# KiCad board keyboard.kicad_pcb (continued)
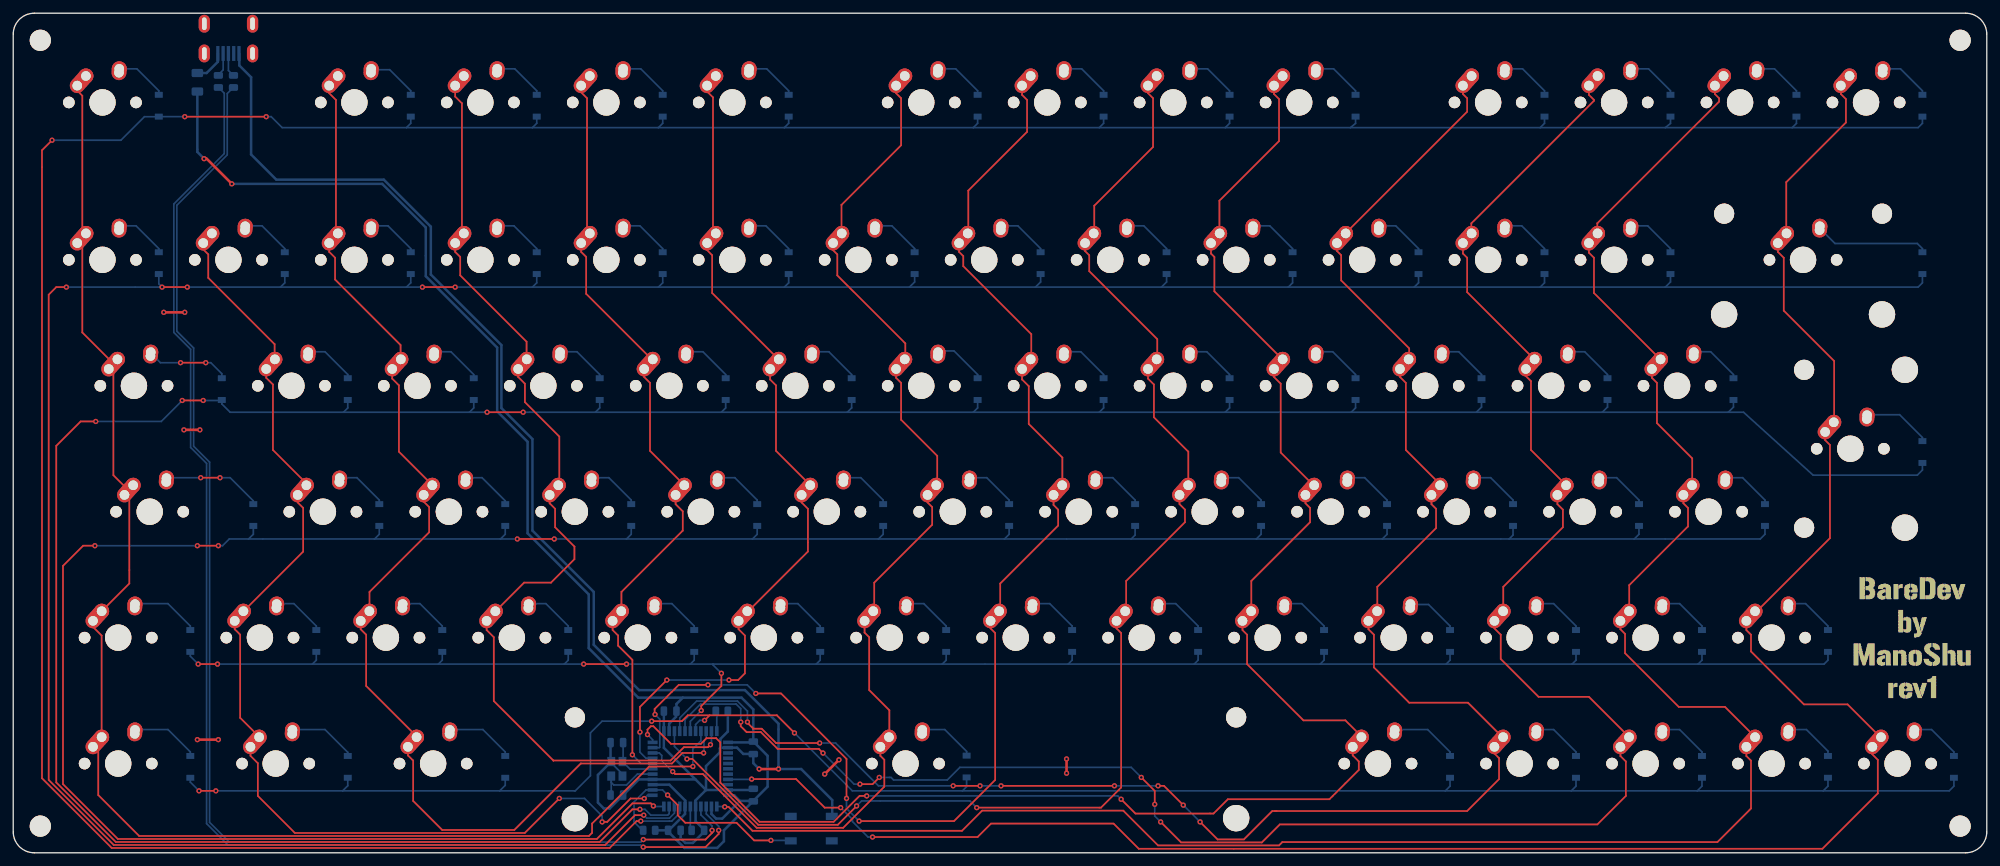
[diagram p0: board, top side]
## Routing (per net, layer and track width the routed paths; a pad name or vN(x,y) marks a point on that pad's centre or on a via; arc(x,y) is an arc through that point)
+5V: length 218.6
  Top w0.381: v1(33.05,101.19) 29.24,105 v1(28.86,105)
  Bottom w0.381: v1(33.05,101.19) 55.78,101.19 62.39,94.58 62.39,87.22 73.18,76.42 73.18,66.77 77.78,62.17 77.78,48.33 87.03,39.08 87.03,30.96 94.52,23.46 101.25,23.46 ; U1.7 101.59,5.87 99.12,3.4 97.06,3.4 ; 98.96,3.27 101.5,0.73 106.46,0.73 107.47,1.75 107.47,3.4 114.08,10 114.08,14.67 C7.1 111.92,21.69 110.14,23.46 101.25,23.46 ; 109.89,7.84 111.79,7.84 ; 109.89,7.84 107.22,5.18 106.29,5.18 105.59,5.87 U1.2 ; 109.89,7.84 109.03,8.7 U1.44 ; 100.23,21.43 100.23,20.57 99.19,19.53 U1.24 ; 27.84,115.16 27.84,106.01 v1(28.86,105) ; C5.1 100.3,22.51 101.25,23.46 ; 111.79,16.86 111.63,16.7 U1.34 ; 101.63,6.95 101.63,7.89 99.22,10.3 U1.14
GND: length 276.6
  Top w0.381: v1(22.76,81.76) v1(25.94,81.76) ; v1(159.29,14.19) v1(159.29,12.03) ; v1(27.84,17.11) v1(31.02,17.11) ; v1(25.81,63.98) v1(28.23,63.98) ; v1(122.71,11.91) v1(124.87,14.07) ; v1(112.81,12.67) v1(115.73,12.67)
  Bottom w0.254: 90.43,13.6 92.11,11.93 ; 28.89,125.41 29.05,125.57
  Bottom w0.381: Y1.4 90.43,13.6 ; 103.17,11.1 104.77,9.5 ; 103.17,11.1 U1.15 94.6,11.1 90.2,6.7 89.31,6.7 88.42,7.59 88.42,11.78 90.33,13.68 90.33,16.73 ; 103.17,11.1 98.39,15.87 U1.23 98.39,21.37 98.33,21.43 ; 104.77,9.5 103.16,7.89 103.16,6.95 ; 104.77,9.5 U1.43 111.54,9.5 111.79,9.75 ; 104.77,9.5 104.77,13.11 106.87,15.21 106.87,15.8 106.96,15.9 ; U1.5 103.19,4.76 104.55,3.4 104.55,3.27 102.77,1.49 101.63,1.49 100.93,2.19 C4.2 ; 111.79,14.95 110.39,14.95 109.45,15.9 U1.35 106.96,15.9 ; 106.96,15.9 106.95,15.91 106.95,17.23 108.07,18.35 R4.1 ; 34.19,120.87 34.19,119.09 35.97,117.32 35.97,105.63 39.78,101.82 56.04,101.82 63.15,94.71 63.15,87.47 73.82,76.8 73.82,67.27 78.52,62.58 78.52,48.74 87.79,39.47 87.79,31.46 94.65,24.61 110.65,24.61 115.73,19.53 v1(115.73,12.67) 119.16,12.67 123.86,7.97 123.86,5.56 ; C7.2 111.92,13.56 v1(112.81,12.67) ; 92.11,11.93 92.11,11.53
VCC: length 5.1
  Bottom w0.381: 27.84,117.95 29.24,117.95 30.94,119.65 30.94,120.91
col0: length 214.4
  Top w0.254: K_54.1 12.06,34.16 13.37,32.86 13.37,17.37 12.86,16.86 12.86,8.73 19.04,2.55 87.06,2.55 87.53,3.02 87.53,4.41 96.17,13.05 v1(102.77,13.05) ; K_0.1 9.68,115.28 10.45,114.52 10.45,94.2 10.95,93.69 ; 13.37,36.42 13.37,36.54 17.56,40.74 17.56,54.71 15.14,57.12 15.14,74.01 10.45,78.71 10.45,91.92 10.95,92.42
  Bottom w0.254: v1(102.77,13.05) 102.77,15.72 103.99,16.94 U1.30
col1: length 159
  Top w0.254: v1(95.43,8.21) 93.36,8.21 89.82,4.67 v1(89.06,4.67) ; K_28.1 38.26,71.85 39.27,70.83 39.27,60.93 44.48,55.72 ; 39.53,74.39 39.53,76.93 29.5,86.96 29.5,90.52 28.73,91.28 K_14.1 ; K_69.1 35.88,14.67 36.99,13.56 36.99,8.6 42.59,3 77.36,3 v1(82.58,8.22) ; K_55.1 33.5,33.81 34.32,32.99 34.32,20.42 37.24,17.49 ; 34.83,36.42 34.83,36.54 43.85,45.56 43.85,52.17 43.02,52.99 K_42.1
  Bottom w0.254: U1.12 95.92,8.7 v1(95.43,8.21) ; v1(89.06,4.67) 89.06,5.56 86.39,8.22 v1(82.58,8.22)
col2: length 170.2
  Top w0.254: 63.4,55.72 63.28,55.72 58.32,60.67 58.32,70.71 57.31,71.72 K_29.1 ; K_43.1 62.07,53.12 62.9,52.29 62.9,48.48 53.88,39.47 53.88,36.54 ; K_15.1 47.78,90.9 48.67,90.01 48.67,86.71 58.58,76.8 58.58,74.64 ; K_56.1 52.55,33.81 53.37,32.99 53.37,25.24 60.99,17.62 ; K_70.1 59.69,14.73 60.48,13.94 60.48,7.84 64.87,3.45 75.78,3.45 85.83,13.5 99.6,13.5 101.2,15.1 v1(104.4,15.1) ; 48.8,93.57 48.8,113.89 47.78,114.9 K_1.1
  Bottom w0.254: U1.31 104.79,17.29 104.46,16.95 104.46,15.16 v1(104.4,15.1)
col3: length 143.7
  Top w0.254: v1(105.44,16.35) 105.06,15.97 101.42,15.97 99.41,13.96 81.71,13.96 81.69,13.94 72.68,22.96 72.68,32.61 71.6,33.69 K_57.1 ; K_44.1 81.12,52.86 81.95,52.04 81.95,49.24 84.87,46.32 84.87,44.42 81.31,40.86 77.25,40.86 72.93,36.54 ; K_16.1 66.83,90.9 67.6,90.14 67.6,87.34 77.63,77.31 77.63,74.9 77.76,74.77 ; 82.58,55.59 82.58,62.96 77.37,68.17 77.37,70.96 76.36,71.98 K_30.1 ; 67.85,93.57 67.85,113.38 66.83,114.4 K_2.1
  Bottom w0.254: U1.32 105.59,16.5 v1(105.44,16.35)
col4: length 112.6
  Top w0.254: 101.5,55.47 101.5,55.59 96.3,60.8 96.3,71.09 95.41,71.98 K_31.1 ; 86.9,93.44 86.77,93.57 86.77,114.14 85.88,115.03 85.88,116.05 ; K_58.1 90.65,33.69 91.47,32.86 91.47,31.34 93.63,29.18 v1(93.63,14.83) ; 91.98,36.42 91.98,39.47 101.25,48.74 101.25,51.66 100.17,52.74 K_45.1 ; 85.88,92.23 85.88,90.9 86.65,90.14 86.65,84.55 96.68,74.52
  Bottom w0.254: v1(93.63,14.83) 94.96,13.5 U1.18
col5: length 123.9
  Top w0.254: K_32.1 114.46,71.6 115.35,70.71 115.35,60.8 120.55,55.59 ; K_18.1 104.93,91.15 105.7,90.39 105.7,84.68 115.86,74.52 ; v1(98.84,26.13) 94.77,22.07 v1(94.77,18.26) ; 106.2,93.44 106.2,93.69 105.82,94.08 105.82,114.27 104.93,115.16 K_4.1 104.93,115.03 ; K_46.1 119.22,52.99 120.17,52.04 120.17,45.56 111.03,36.42 ; v1(108.24,26.13) 109.63,26.13 110.65,27.15 110.65,32.86 109.7,33.81 K_59.1
  Bottom w0.254: U1.19 95.69,14.3 94.77,15.22 v1(94.77,18.26) ; v1(98.84,26.13) v1(108.24,26.13)
col6: length 158.4
  Top w0.254: 139.73,55.59 139.73,60.04 134.27,65.5 134.27,71.09 133.51,71.85 K_33.1 ; 132.49,17.62 132.49,21.56 129.44,24.61 129.44,32.61 128.75,33.31 K_60.1 ; K_47.1 138.27,52.99 138.97,52.29 138.97,49.63 130.21,40.86 130.21,36.67 ; K_19.1 123.98,91.15 124.62,90.52 124.62,87.34 134.91,77.06 134.91,74.64 ; K_71.1 131.13,14.67 131.73,14.07 131.73,10 125.51,3.78 112.43,3.78 104.3,11.91 100.11,11.91 v1(99.73,12.29) ; K_5.1 133.51,114.9 134.27,114.14 134.27,107.03 125.25,98.01 125.25,93.44
  Bottom w0.254: v1(99.73,12.29) 98.08,13.94 98.08,14.72 97.7,15.1 U1.20
col7: length 190.2
  Top w0.254: 149.38,36.67 149.26,36.67 149.26,40.74 158.02,49.5 158.02,51.91 157.32,52.61 K_48.1 ; K_34.1 152.56,71.6 153.57,70.58 153.57,64.87 158.65,59.79 158.65,55.59 ; v1(97.06,20.92) 97,20.99 97,21.75 100.64,25.4 v1(105.06,25.4) ; v1(127.92,4.79) 142.27,4.79 148.49,11.02 148.49,33.24 147.8,33.94 K_61.1 ; 144.43,93.69 144.43,100.17 153.32,109.06 153.32,113.89 152.56,114.65 K_6.1 ; v1(126.02,8.22) 126.02,14.19 116.11,24.1 v1(112.3,24.1) ; 153.96,74.64 153.96,78.45 143.67,88.74 143.67,90.27 143.03,90.9 K_20.1
  Bottom w0.254: v1(112.3,24.1) 111,25.4 v1(105.06,25.4) ; v1(97.06,20.92) 97.77,20.21 97.77,15.97 97.7,15.9 U1.21 ; v1(126.02,8.22) 126.02,6.7 v1(127.92,4.79)
col8: length 193.8
  Top w0.254: K_21.1 162.08,91.03 162.72,90.39 162.72,87.98 173.01,77.69 173.01,74.77 ; v1(127.54,7.08) 124.69,4.23 112.67,4.23 102.71,14.19 v1(101.89,14.19) ; K_62.1 166.85,33.94 167.54,33.24 167.54,9.87 164.5,6.83 v1(145.7,6.83) ; K_7.1 171.61,114.9 172.37,114.14 172.37,106.78 163.48,97.89 163.48,93.57 ; 168.31,36.42 168.31,41.12 177.2,50.01 177.2,51.91 176.37,52.74 K_49.1 ; 177.7,55.59 177.7,60.67 172.5,65.88 172.5,70.83 171.61,71.72 K_35.1
  Bottom w0.254: v1(101.89,14.19) 99.99,16.08 U1.25 ; v1(145.7,6.83) 144.68,7.84 128.3,7.84 v1(127.54,7.08)
col9: length 248.7
  Top w0.254: K_50.1 195.42,52.86 196.12,52.17 196.12,50.01 187.23,41.12 187.23,36.54 ; K_63.1 185.9,33.69 186.59,32.99 186.59,28.54 195.1,20.03 201.45,20.03 203.99,17.49 ; v1(95.92,17.88) 95.92,18.64 96.42,19.15 96.81,19.15 99.47,16.48 103.98,16.48 104.84,17.33 106.3,17.33 106.93,16.7 106.93,10.61 112.86,4.69 124.07,4.69 127.99,8.6 v1(129.06,8.6) ; v1(167.54,8.1) 169.7,5.94 181.51,5.94 183.67,8.1 199.04,8.1 203.49,12.54 203.49,13.81 202.56,14.73 K_72.1 ; K_22.1 181.13,90.65 181.64,90.14 181.64,84.93 191.93,74.64 ; 182.4,93.69 182.4,98.65 191.42,107.66 191.42,114.01 190.66,114.78 K_8.1 ; K_36.1 190.66,71.98 191.67,70.96 191.67,60.55 196.75,55.47
  Bottom w0.254: v1(167.54,8.1) 167.04,8.6 v1(129.06,8.6) ; U1.22 96.69,17.1 v1(95.92,17.88)
col10: length 271.3
  Top w0.254: K_64.1 204.95,33.81 205.77,32.99 205.77,28.04 211.11,22.7 220,22.7 225.33,17.37 ; 206.28,36.54 206.28,40.23 215.17,49.12 215.17,52.04 214.47,52.74 K_51.1 ; 191.04,6.32 190.4,6.32 186.11,2.02 182.13,2.02 v1(179.48,4.67) ; 191.04,6.32 190.79,6.32 ; 191.04,6.32 219.87,6.32 224.69,11.14 224.69,14.32 224,15.02 K_73.1 ; 211.11,74.52 211.11,76.3 200.82,86.58 200.82,90.39 200.18,91.03 K_23.1 ; v1(121.95,16.61) 115.35,16.61 113.19,18.76 111.92,18.76 111.03,19.65 v1(111.03,19.78) ; v1(149.38,10.13) v1(166.53,10.13) ; K_37.1 209.71,71.98 210.6,71.09 210.6,60.93 215.8,55.72 ; v1(176.94,7.21) 174.02,10.13 v1(173.13,10.13) ; K_9.1 219.23,114.78 219.87,114.14 219.87,112.11 201.58,93.82 201.58,93.57 ; v1(142.14,10.13) v1(146.21,10.13)
  Bottom w0.254: v1(111.03,19.78) 111.03,21.43 109.52,22.95 103.35,22.95 100.79,20.39 U1.26 ; v1(121.95,16.61) 124.36,16.61 130.84,10.13 v1(142.14,10.13) ; v1(176.94,7.21) v1(179.48,4.67) ; v1(166.53,10.13) v1(173.13,10.13) ; v1(146.21,10.13) v1(149.38,10.13)
col11: length 295.2
  Top w0.254: v1(130.97,11.4) 129.95,10.38 v1(128.05,10.38) ; 244.38,17.49 238.28,23.59 230.66,23.59 224.95,29.31 224.95,32.99 224,33.94 K_65.1 ; v1(110.01,19.78) 110.01,19.15 110.9,18.26 113.05,18.26 115.59,15.72 121.82,15.72 v1(122.46,15.08) ; v1(172.62,7.33) 172.62,9.37 v1(170.59,11.4) ; v1(173.51,4.67) 176.62,1.57 188.83,1.57 191.55,4.29 239.55,4.29 243.87,8.6 243.87,13.81 243.05,14.64 K_74.1 ; K_38.1 228.76,72.1 229.52,71.34 229.52,60.93 234.85,55.59 ; K_52.1 233.52,52.74 234.35,51.91 234.35,49.24 225.33,40.23 225.33,36.54 ; K_24.1 219.23,90.65 219.87,90.01 219.87,84.8 230.03,74.64 ; 220.5,93.69 220.5,95.22 239.05,113.76 239.05,113.89 238.28,114.65 K_10.1
  Bottom w0.254: v1(170.59,11.4) 169.07,12.92 143.16,12.92 141.26,11.02 133.13,11.02 132.75,11.4 v1(130.97,11.4) ; v1(122.46,15.08) 127.16,10.38 v1(128.05,10.38) ; U1.27 101.59,20.15 103.94,22.49 109.33,22.49 110.01,21.81 v1(110.01,19.78) ; v1(173.51,4.67) 172.62,5.56 v1(172.62,7.33)
col12: length 297.7
  Top w0.254: 249.08,74.64 239.05,84.68 239.05,90.01 238.28,90.77 K_25.1 ; 263.3,17.62 258.86,22.07 251.87,22.07 243.74,30.19 243.74,33.12 243.05,33.81 K_66.1 ; 244.38,36.42 244.38,40.48 253.27,49.37 253.27,52.17 252.57,52.86 K_53.1 ; 239.68,93.57 239.55,93.57 239.55,95.22 257.97,113.63 257.97,114.14 257.33,114.78 K_11.1 ; K_75.1 262.1,14.64 262.79,13.94 262.79,6.7 257.71,1.62 191.93,1.62 191.42,1.11 173.13,1.11 167.87,6.37 146.52,6.37 143.47,3.32 111.8,3.32 108.17,6.95 v1(107.6,6.95) ; 253.9,55.47 253.9,59.66 248.57,64.99 248.57,71.09 247.81,71.85 K_39.1
  Bottom w0.254: v1(107.6,6.95) 107.55,7 U1.1
col13: length 310.7
  Top w0.254: K_76.1 281.15,14.89 281.97,14.07 281.97,8.99 273.59,0.6 170.21,0.6 166.4,4.41 147.86,4.41 145.83,2.38 v1(129.95,2.38) ; v1(111.66,11.14) 118.4,11.14 122.71,6.83 v1(125.13,6.83) ; K_26.1 266.86,90.9 267.75,90.01 267.75,82.01 275.37,74.39 275.37,65.12 ; K_12.1 276.38,114.78 277.15,114.01 277.15,110.46 268.13,101.44 268.13,93.57 ; K_67.1 262.1,33.69 262.79,32.99 262.79,30.45 270.8,22.45 277.4,22.45 282.48,17.37 ; K_40.1 274,62.42 274.73,61.69 274.73,47.59 263.68,36.54 263.56,36.54 263.43,36.42 263.56,36.42 263.56,36.29
  Bottom w0.254: U1.41 111.62,11.1 v1(111.66,11.14) ; v1(125.13,6.83) 126.9,5.05 126.9,4.73 129.26,2.38 v1(129.95,2.38)
D+: length 3.7
  Bottom w0.254: USB1.3 32.54,118.33 33.31,117.57
D-: length 3.6
  Bottom w0.254: 31.02,117.57 31.02,117.7 31.74,118.42 USB1.4
row0: length 508.8
  Top w0.254: v1(94.9,4.79) 94.27,4.79 90.2,0.73 14.89,0.73 4.35,11.27 4.35,106.27 v1(5.87,107.79) ; v1(25.94,111.35) v1(38.26,111.35)
  Bottom w0.254: v1(25.94,111.35) 25.93,111.36 D_0.1 ; 145.19,109.7 145.84,110.35 D_5.1 ; 145.19,109.7 116.62,109.7 ; 145.19,109.7 164.24,109.7 ; 249.84,109.7 269.02,109.7 ; 249.84,109.7 230.92,109.7 ; 249.84,109.7 250.62,110.33 D_10.1 ; 269.02,109.7 288.07,109.7 288.72,110.35 D_12.1 ; 269.02,109.7 269.67,110.33 D_11.1 ; v1(5.87,107.79) 16.29,107.79 19.84,111.35 22,111.35 ; 116.62,109.7 117.27,110.35 D_4.1 ; 116.62,109.7 97.57,109.7 ; 59.47,109.7 78.52,109.7 ; 59.47,109.7 60.12,110.35 D_1.1 ; 59.47,109.7 40.67,109.7 39.02,111.35 v1(38.26,111.35) ; 78.52,109.7 79.17,110.35 D_2.1 ; 78.52,109.7 97.57,109.7 ; 164.24,109.7 183.29,109.7 ; 164.24,109.7 164.89,110.35 D_6.1 ; 183.29,109.7 202.22,109.7 ; 183.29,109.7 183.94,110.35 D_7.1 ; D_9.1 231.57,110.35 230.92,109.7 ; U1.8 100.79,6 99.59,4.79 v1(94.9,4.79) ; 202.22,109.7 230.92,109.7 ; 202.22,109.7 202.99,110.33 D_8.1 ; 97.57,109.7 98.22,110.35 D_3.1
row1: length 490.2
  Top w0.254: v1(61.88,85.57) v1(66.83,85.57) ; v1(8.03,85.57) 6.51,85.57 5.37,84.42 5.37,11.02 15.2,1.18 89.51,1.18 94.02,5.69 v1(95.35,5.69) ; v1(22.51,85.57) v1(26.32,85.57)
  Bottom w0.254: 135.54,85.57 154.59,85.57 ; 135.54,85.57 116.62,85.57 ; 135.54,85.57 136.32,86.34 D_19.1 ; 154.59,85.57 173.64,85.57 ; 154.59,85.57 155.37,86.34 D_20.1 ; 249.84,85.57 288.07,85.57 288.72,86.22 D_26.1 ; 249.84,85.57 230.92,85.57 ; 249.84,85.57 250.62,86.34 D_25.1 ; D_15.1 60.12,86.22 59.47,85.57 ; D_13.1 22.02,86.06 v1(22.51,85.57) v1(8.03,85.57) ; 173.64,85.57 192.82,85.57 ; 173.64,85.57 174.42,86.34 D_21.1 ; 192.82,85.57 211.87,85.57 ; 192.82,85.57 193.47,86.22 D_22.1 ; 211.87,85.57 212.52,86.22 D_23.1 ; 211.87,85.57 230.92,85.57 ; 78.52,85.57 79.17,86.22 D_16.1 ; 78.52,85.57 v1(66.83,85.57) ; 78.52,85.57 97.57,85.57 ; D_17.1 98.22,86.22 97.57,85.57 ; 116.62,85.57 97.57,85.57 ; 116.62,85.57 117.27,86.22 D_18.1 ; 59.47,85.57 v1(61.88,85.57) ; 59.47,85.57 40.42,85.57 ; 230.92,85.57 231.57,86.22 D_24.1 ; U1.9 99.99,6 99.25,5.25 95.79,5.25 v1(95.35,5.69) ; v1(26.32,85.57) 40.42,85.57 ; 40.42,85.57 41.07,86.22 D_14.1
row2: length 467.7
  Top w0.254: v1(71.66,66.64) v1(77.12,66.64) ; v1(12.48,65.25) 10.19,65.25 6.51,61.56 6.51,10.64 15.51,1.64 88.7,1.64 93.63,6.57 v1(94.77,6.57) ; v1(25.56,68.42) v1(28.73,68.42)
  Bottom w0.254: 126.14,66.64 126.79,67.29 D_32.1 ; 126.14,66.64 107.09,66.64 ; 126.14,66.64 145.19,66.64 ; 259.37,66.64 261.66,66.64 272.19,57.12 287.94,57.12 288.72,57.9 D_40.1 ; 259.37,66.64 260.14,67.42 D_39.1 ; 259.37,66.64 240.32,66.64 ; D_35.1 183.94,67.29 183.29,66.64 ; 164.24,66.64 164.89,67.29 D_34.1 ; 164.24,66.64 183.29,66.64 ; 164.24,66.64 145.19,66.64 ; v1(12.48,65.25) 22.38,65.25 v1(25.56,68.42) ; 183.29,66.64 202.34,66.64 ; 49.94,66.64 32.8,66.64 31.54,67.9 D_27.1 ; 49.94,66.64 68.99,66.64 ; 49.94,66.64 50.59,67.29 D_28.1 ; D_33.1 145.84,67.29 145.19,66.64 ; v1(94.77,6.57) 95.54,6.57 96.41,5.7 98.98,5.7 99.19,5.91 U1.10 ; v1(28.73,68.42) 31.53,68.42 ; D_37.1 222.04,67.42 221.27,66.64 ; 68.99,66.64 v1(71.66,66.64) ; 68.99,66.64 69.64,67.29 D_29.1 ; 107.09,66.64 88.04,66.64 ; 107.09,66.64 107.74,67.29 D_31.1 ; 240.32,66.64 241.09,67.42 D_38.1 ; 240.32,66.64 221.27,66.64 ; D_30.1 88.69,67.29 88.04,66.64 ; 88.04,66.64 v1(77.12,66.64) ; D_36.1 202.99,67.29 202.34,66.64 ; 202.34,66.64 221.27,66.64
row3: length 417.6
  Top w0.254: v1(96.81,7.08) 96.41,7.48 93.65,7.48 88.26,2.09 15.81,2.09 7.52,10.38 7.52,43.4 10.57,46.45 v1(12.35,46.45) ; v1(27.84,46.45) v1(31.02,46.45) ; v1(76.23,47.47) v1(81.82,47.47)
  Bottom w0.254: 54.64,47.47 55.36,48.18 D_42.1 ; 54.64,47.47 35.59,47.47 ; 54.64,47.47 73.69,47.47 ; D_46.1 131.56,48.18 130.84,47.47 ; 169.07,47.47 187.99,47.47 ; 169.07,47.47 149.89,47.47 ; 169.07,47.47 169.66,48.05 D_48.1 ; 187.99,47.47 207.04,47.47 ; 187.99,47.47 188.71,48.18 D_49.1 ; 35.59,47.47 36.31,48.18 D_41.1 ; 35.59,47.47 32.67,47.47 31.65,46.45 v1(31.02,46.45) ; 245.14,47.47 245.86,48.18 D_52.1 ; 245.14,47.47 226.22,47.47 ; 245.14,47.47 264.19,47.47 264.91,48.18 D_53.1 ; v1(81.82,47.47) 92.74,47.47 ; 92.74,47.47 93.46,48.18 D_44.1 ; 92.74,47.47 111.79,47.47 ; D_45.1 112.51,48.18 111.79,47.47 ; 73.69,47.47 v1(76.23,47.47) ; 73.69,47.47 74.41,48.18 D_43.1 ; D_51.1 226.81,48.05 226.22,47.47 ; 130.84,47.47 149.89,47.47 ; 130.84,47.47 111.79,47.47 ; 149.89,47.47 150.61,48.18 D_47.1 ; 226.22,47.47 207.04,47.47 ; 207.04,47.47 207.76,48.18 D_50.1 ; v1(96.81,7.08) 96.89,7 U1.11 ; v1(12.35,46.45) v1(27.84,46.45)
row4: length 288.1
  Top w0.254: v1(27.97,28.54) v1(30.89,28.54) ; v1(104.04,21.52) 104.04,22.19 107.09,25.24 v1(107.09,27.15) ; v1(86.26,28.54) v1(92.74,28.54)
  Bottom w0.254: 105.82,28.54 105.82,28.42 v1(107.09,27.15) ; 105.82,28.54 102.39,28.54 ; 105.82,28.54 121.44,28.54 ; 102.39,28.54 102.98,29.13 D_58.1 ; 102.39,28.54 v1(92.74,28.54) ; v1(104.04,21.52) 102.39,19.87 102.39,18.38 ; 197.64,28.54 216.69,28.54 ; 197.64,28.54 178.59,28.54 ; 197.64,28.54 198.23,29.13 D_63.1 ; 216.69,28.54 217.28,29.13 D_64.1 ; 216.69,28.54 235.74,28.54 ; 159.54,28.54 160.13,29.13 D_61.1 ; 159.54,28.54 140.49,28.54 ; 159.54,28.54 178.59,28.54 ; 45.24,28.54 64.29,28.54 ; 45.24,28.54 v1(30.89,28.54) ; 45.24,28.54 45.83,29.13 D_55.1 ; 64.29,28.54 83.34,28.54 ; 64.29,28.54 64.88,29.13 D_56.1 ; 140.49,28.54 141.08,29.13 D_60.1 ; 140.49,28.54 121.44,28.54 ; 254.79,28.54 273.84,28.54 274.43,29.13 D_67.1 ; 254.79,28.54 255.38,29.13 D_66.1 ; 254.79,28.54 235.74,28.54 ; 178.59,28.54 179.18,29.13 D_62.1 ; D_57.1 83.93,29.13 83.34,28.54 ; v1(27.97,28.54) 26.78,29.73 D_54.1 ; 83.34,28.54 v1(86.26,28.54) ; D_59.1 122.03,29.13 121.44,28.54 ; 235.74,28.54 236.33,29.13 D_65.1
row5: length 302.4
  Top w0.254: v1(118.14,18.13) 115.47,20.8 105.31,20.8 ; v1(28.1,9.37) v1(30.64,9.37) ; 105.31,20.8 102.01,20.8 101.12,19.91 v1(96.55,19.91) ; 105.31,20.8 v1(104.55,20.03)
  Bottom w0.254: v1(30.64,9.37) 49.82,9.37 ; 49.82,9.37 50.59,10.14 D_69.1 ; 49.82,9.37 73.56,9.37 ; 254.67,9.37 273.72,9.37 ; 254.67,9.37 235.62,9.37 ; 254.67,9.37 255.38,10.08 D_74.1 ; 273.72,9.37 292.77,9.37 293.48,10.08 D_76.1 ; 273.72,9.37 274.43,10.08 D_75.1 ; 235.62,9.37 236.33,10.08 D_73.1 ; 235.62,9.37 216.57,9.37 ; D_72.1 217.28,10.08 216.57,9.37 ; 143.54,9.37 216.57,9.37 ; 143.54,9.37 126.9,9.37 v1(118.14,18.13) ; 143.54,9.37 144.18,10 D_71.1 ; U1.29 103.19,19.4 103.82,20.03 v1(104.55,20.03) ; v1(28.1,9.37) 26.78,10.68 D_68.1 ; 73.56,9.37 84.99,9.37 87.28,11.65 87.28,18.13 89.06,19.91 v1(96.55,19.91) ; 73.56,9.37 74.41,10.21 D_70.1
Net-(C1-Pad1): length 7.9
  Bottom w0.254: C1.1 92.23,13.94 92.11,13.81 ; Y1.1 93.26,12.67 96.68,12.67
Net-(C2-Pad1): length 10.9
  Bottom w0.254: 90.46,8.73 90.43,8.76 Y1.3 90.43,10.65 90.82,10.26 92.74,10.26 94.39,11.91 96.68,11.91
Net-(C3-Pad1): length 3.7
  Bottom w0.254: 102.52,3.4 102.39,3.52 U1.6
Net-(D_0-Pad2): length 8
  Bottom w0.254: D_0.2 22.02,115.27 18.7,118.59 16.03,118.59
Net-(D_1-Pad2): length 7.9
  Bottom w0.254: 54.13,118.46 56.93,118.46 60.12,115.27 D_1.2
Net-(D_2-Pad2): length 8
  Bottom w0.254: K_2.2 75.85,118.59 79.17,115.27 D_2.2
Net-(D_3-Pad2): length 8
  Bottom w0.254: D_3.2 98.22,115.27 94.9,118.59 K_3.2
Net-(D_4-Pad2): length 8
  Bottom w0.254: K_4.2 113.95,118.59 117.27,115.27 D_4.2
Net-(D_5-Pad2): length 8
  Bottom w0.254: D_5.2 145.84,115.27 142.53,118.59 K_5.2
Net-(D_6-Pad2): length 8
  Bottom w0.254: K_6.2 161.58,118.59 164.89,115.27 D_6.2
Net-(D_7-Pad2): length 8.1
  Bottom w0.254: D_7.2 183.94,115.27 180.63,118.59 177.83,118.59
Net-(D_8-Pad2): length 8
  Bottom w0.254: K_8.2 199.68,118.59 202.99,115.27 D_8.2
Net-(D_9-Pad2): length 8
  Bottom w0.254: 225.58,118.59 228.25,118.59 231.57,115.27 D_9.2
Net-(D_10-Pad2): length 8
  Bottom w0.254: K_10.2 247.3,118.59 250.62,115.27 D_10.2
Net-(D_11-Pad2): length 8
  Bottom w0.254: D_11.2 269.67,115.27 266.35,118.59 263.68,118.59
Net-(D_12-Pad2): length 8
  Bottom w0.254: D_12.2 288.72,115.27 285.4,118.59 282.73,118.59
Net-(D_13-Pad2): length 8
  Bottom w0.254: 16.03,94.84 18.57,94.84 22.02,91.39 D_13.2
Net-(D_14-Pad2): length 8
  Bottom w0.254: 35.08,94.84 37.62,94.84 41.07,91.39 D_14.2
Net-(D_15-Pad2): length 8
  Bottom w0.254: D_15.2 60.12,91.39 56.67,94.84 54.13,94.84
Net-(D_16-Pad2): length 8
  Bottom w0.254: D_16.2 79.17,91.39 75.72,94.84 73.18,94.84
Net-(D_17-Pad2): length 8
  Bottom w0.254: 92.23,94.84 94.77,94.84 98.22,91.39 D_17.2
Net-(D_18-Pad2): length 8
  Bottom w0.254: D_18.2 117.27,91.39 113.82,94.84 111.28,94.84
Net-(D_19-Pad2): length 8
  Bottom w0.254: D_19.2 136.32,91.39 132.87,94.84 130.33,94.84
Net-(D_20-Pad2): length 8
  Bottom w0.254: 149.38,94.84 151.92,94.84 155.37,91.39 D_20.2
Net-(D_21-Pad2): length 8
  Bottom w0.254: 168.43,94.84 170.97,94.84 174.42,91.39 D_21.2
Net-(D_22-Pad2): length 8.1
  Bottom w0.254: 187.36,94.84 190.02,94.84 193.47,91.39 D_22.2
Net-(D_23-Pad2): length 8
  Bottom w0.254: 206.53,94.84 209.07,94.84 212.52,91.39 D_23.2
Net-(D_24-Pad2): length 8
  Bottom w0.254: D_24.2 231.57,91.39 228.12,94.84 225.58,94.84
Net-(D_25-Pad2): length 8
  Bottom w0.254: 244.63,94.84 247.17,94.84 250.62,91.39 D_25.2
Net-(D_26-Pad2): length 17.5
  Bottom w0.254: 273.08,94.58 275.49,92.17 287.94,92.17 288.72,91.39 D_26.2
Net-(D_27-Pad2): length 12.8
  Top w0.254: v1(29.11,74.14) v1(25.3,74.14)
  Bottom w0.254: v1(29.11,74.14) 29.88,74.14 31.54,72.47 D_27.2 ; 20.73,75.66 22.26,74.14 v1(25.3,74.14)
Net-(D_28-Pad2): length 8
  Bottom w0.254: D_28.2 50.59,72.34 47.15,75.79 44.61,75.79
Net-(D_29-Pad2): length 8
  Bottom w0.254: 63.66,75.79 66.2,75.79 69.64,72.34 D_29.2
Net-(D_30-Pad2): length 8
  Bottom w0.254: D_30.2 88.69,72.34 85.25,75.79 82.71,75.79
Net-(D_31-Pad2): length 8
  Bottom w0.254: D_31.2 107.74,72.34 104.3,75.79 101.76,75.79
Net-(D_32-Pad2): length 8
  Bottom w0.254: D_32.2 126.79,72.34 123.35,75.79 120.81,75.79
Net-(D_33-Pad2): length 8
  Bottom w0.254: D_33.2 145.84,72.34 142.27,75.91 139.86,75.91
Net-(D_34-Pad2): length 8
  Bottom w0.254: D_34.2 164.89,72.34 161.45,75.79 158.91,75.79
Net-(D_35-Pad2): length 8
  Bottom w0.254: 177.96,75.79 180.5,75.79 183.94,72.34 D_35.2
Net-(D_36-Pad2): length 8
  Bottom w0.254: D_36.2 202.99,72.34 199.55,75.79 197.01,75.79
Net-(D_37-Pad2): length 8
  Bottom w0.254: 216.06,75.79 218.6,75.79 222.04,72.34 D_37.2
Net-(D_38-Pad2): length 8
  Bottom w0.254: D_38.2 241.09,72.34 237.65,75.79 235.11,75.79
Net-(D_39-Pad2): length 8.1
  Bottom w0.254: D_39.2 260.14,72.34 256.7,75.79 254.03,75.79
Net-(D_40-Pad2): length 10.4
  Bottom w0.254: D_40.2 288.72,62.82 285.27,66.26 280.32,66.26
Net-(D_41-Pad2): length 15.1
  Top w0.254: v1(31.27,56.74) v1(28.35,56.74)
  Bottom w0.254: D_41.2 36.31,53.23 32.8,56.74 v1(31.27,56.74) ; v1(28.35,56.74) 23.15,56.74
Net-(D_42-Pad2): length 8.1
  Bottom w0.254: D_42.2 55.36,53.36 51.97,56.74 49.31,56.74
Net-(D_43-Pad2): length 7.9
  Bottom w0.254: D_43.2 74.41,53.23 70.9,56.74 68.48,56.74
Net-(D_44-Pad2): length 8.1
  Bottom w0.254: D_44.2 93.46,53.36 90.07,56.74 87.41,56.74
Net-(D_45-Pad2): length 8.1
  Bottom w0.254: 106.46,56.74 109.12,56.74 112.51,53.36 D_45.2
Net-(D_46-Pad2): length 8.1
  Bottom w0.254: 125.51,56.74 128.17,56.74 131.56,53.36 D_46.2
Net-(D_47-Pad2): length 8.1
  Bottom w0.254: D_47.2 150.61,53.36 147.22,56.74 144.56,56.74
Net-(D_48-Pad2): length 8.1
  Bottom w0.254: 163.61,56.74 166.27,56.74 169.66,53.36 D_48.2
Net-(D_49-Pad2): length 8.1
  Bottom w0.254: D_49.2 188.71,53.36 185.32,56.74 182.66,56.74
Net-(D_50-Pad2): length 8.1
  Bottom w0.254: 201.71,56.74 204.37,56.74 207.76,53.36 D_50.2
Net-(D_51-Pad2): length 8.1
  Bottom w0.254: D_51.2 226.81,53.36 223.42,56.74 220.76,56.74
Net-(D_52-Pad2): length 7.9
  Bottom w0.254: 239.93,56.74 242.47,56.74 245.86,53.36 D_52.2
Net-(D_53-Pad2): length 8.1
  Bottom w0.254: 258.86,56.74 261.52,56.74 264.91,53.36 D_53.2
Net-(D_54-Pad2): length 10.3
  Bottom w0.254: D_54.2 26.78,34.31 23.4,37.69 18.45,37.69
Net-(D_55-Pad2): length 8.1
  Bottom w0.254: D_55.2 45.83,34.31 42.45,37.69 39.78,37.69
Net-(D_56-Pad2): length 8.1
  Bottom w0.254: D_56.2 64.88,34.31 61.5,37.69 58.83,37.69
Net-(D_57-Pad2): length 8.1
  Bottom w0.254: D_57.2 83.93,34.31 80.55,37.69 77.88,37.69
Net-(D_58-Pad2): length 8.1
  Bottom w0.254: 96.93,37.69 99.6,37.69 102.98,34.31 D_58.2
Net-(D_59-Pad2): length 8.1
  Bottom w0.254: D_59.2 122.03,34.31 118.65,37.69 115.98,37.69
Net-(D_60-Pad2): length 8.1
  Bottom w0.254: D_60.2 141.08,34.31 137.7,37.69 135.03,37.69
Net-(D_61-Pad2): length 8.1
  Bottom w0.254: D_61.2 160.13,34.31 156.75,37.69 154.08,37.69
Net-(D_62-Pad2): length 8.1
  Bottom w0.254: 173.13,37.69 175.8,37.69 179.18,34.31 D_62.2
Net-(D_63-Pad2): length 8.1
  Bottom w0.254: D_63.2 198.23,34.31 194.85,37.69 192.18,37.69
Net-(D_64-Pad2): length 7.9
  Bottom w0.254: 211.36,37.56 214.03,37.56 217.28,34.31 D_64.2
Net-(D_65-Pad2): length 8.1
  Bottom w0.254: 230.28,37.69 232.95,37.69 236.33,34.31 D_65.2
Net-(D_66-Pad2): length 8.1
  Bottom w0.254: 249.33,37.69 252,37.69 255.38,34.31 D_66.2
Net-(D_67-Pad2): length 8.1
  Bottom w0.254: 268.38,37.69 271.05,37.69 274.43,34.31 D_67.2
Net-(D_68-Pad2): length 10.3
  Bottom w0.254: D_68.2 26.78,15.26 23.4,18.64 18.45,18.64
Net-(D_69-Pad2): length 10.4
  Bottom w0.254: D_69.2 50.59,15.19 47.15,18.64 42.2,18.64
Net-(D_70-Pad2): length 10.5
  Bottom w0.254: 65.94,18.64 71.02,18.64 74.41,15.26 D_70.2
Net-(D_71-Pad2): length 8.7
  Bottom w0.254: D_71.2 144.18,15.34 140.87,18.64 137.45,18.64
Net-(D_72-Pad2): length 10.3
  Bottom w0.254: D_72.2 217.28,15.26 213.9,18.64 208.95,18.64
Net-(D_73-Pad2): length 8.1
  Bottom w0.254: 230.28,18.64 232.95,18.64 236.33,15.26 D_73.2
Net-(D_74-Pad2): length 7.9
  Bottom w0.254: 249.46,18.64 252,18.64 255.38,15.26 D_74.2
Net-(D_75-Pad2): length 8
  Bottom w0.254: D_75.2 274.43,15.38 271.18,18.64 268.51,18.64
Net-(D_76-Pad2): length 8.1
  Bottom w0.254: 287.43,18.64 290.1,18.64 293.48,15.26 D_76.2
Net-(R1-Pad2): length 33.4
  Top w0.254: v1(114.59,1.87) 112.05,1.87 109.38,4.54 101.63,4.54 100.49,5.68 100.49,7.21 v1(98.96,8.73)
  Bottom w0.254: v1(114.59,1.87) 117.63,1.87 ; v1(98.96,8.73) 98.2,9.5 U1.13 95.69,9.5 93.88,7.69 93.88,4.67 95.15,3.4
Net-(R2-Pad1): length 199.8
  Top w0.254: v1(95.28,2) 104.68,2 105.68,3 v1(105.68,3.4) 105.57,3.28
  Bottom w0.254: R2.1 33.31,115.54 ; 33.31,115.79 32.36,114.85 32.36,105.57 24.74,97.95 24.74,78.9 27.28,76.36 27.28,61.5 29.7,59.08 29.7,4.6 32.68,1.62 94.9,1.62 v1(95.28,2) ; U1.4 103.99,5.73 105.7,4.03 105.68,4.02 v1(105.68,3.4) 105.57,3.51
Net-(R3-Pad1): length 201.4
  Top w0.254: v1(106.68,3.4) 106.68,2.86 104.68,0.86 v1(95.28,0.86)
  Bottom w0.254: v1(95.28,0.86) 95.21,0.86 94.9,1.17 32.49,1.17 29.24,4.41 29.24,58.9 26.83,61.31 26.83,76.17 24.29,78.71 24.29,98.14 31.91,105.76 31.91,114.9 31.02,115.79 ; v1(106.68,3.4) 106.68,4 104.81,5.88 104.81,6.83
Net-(R4-Pad2): length 3.1
  Bottom w0.254: U1.33 106.39,21.24 106.2,21.43

## Copper pours and planes (outline as drawn; the poured copper is in the pictures)
GND on Bottom: 305.47,-6.13 -3.02,-6.13 -3.02,131.92 305.47,131.92
